# Altium PCB BEAGLEPLAYV020_220915.brd.PcbDoc (part 1 of 12) (continued)
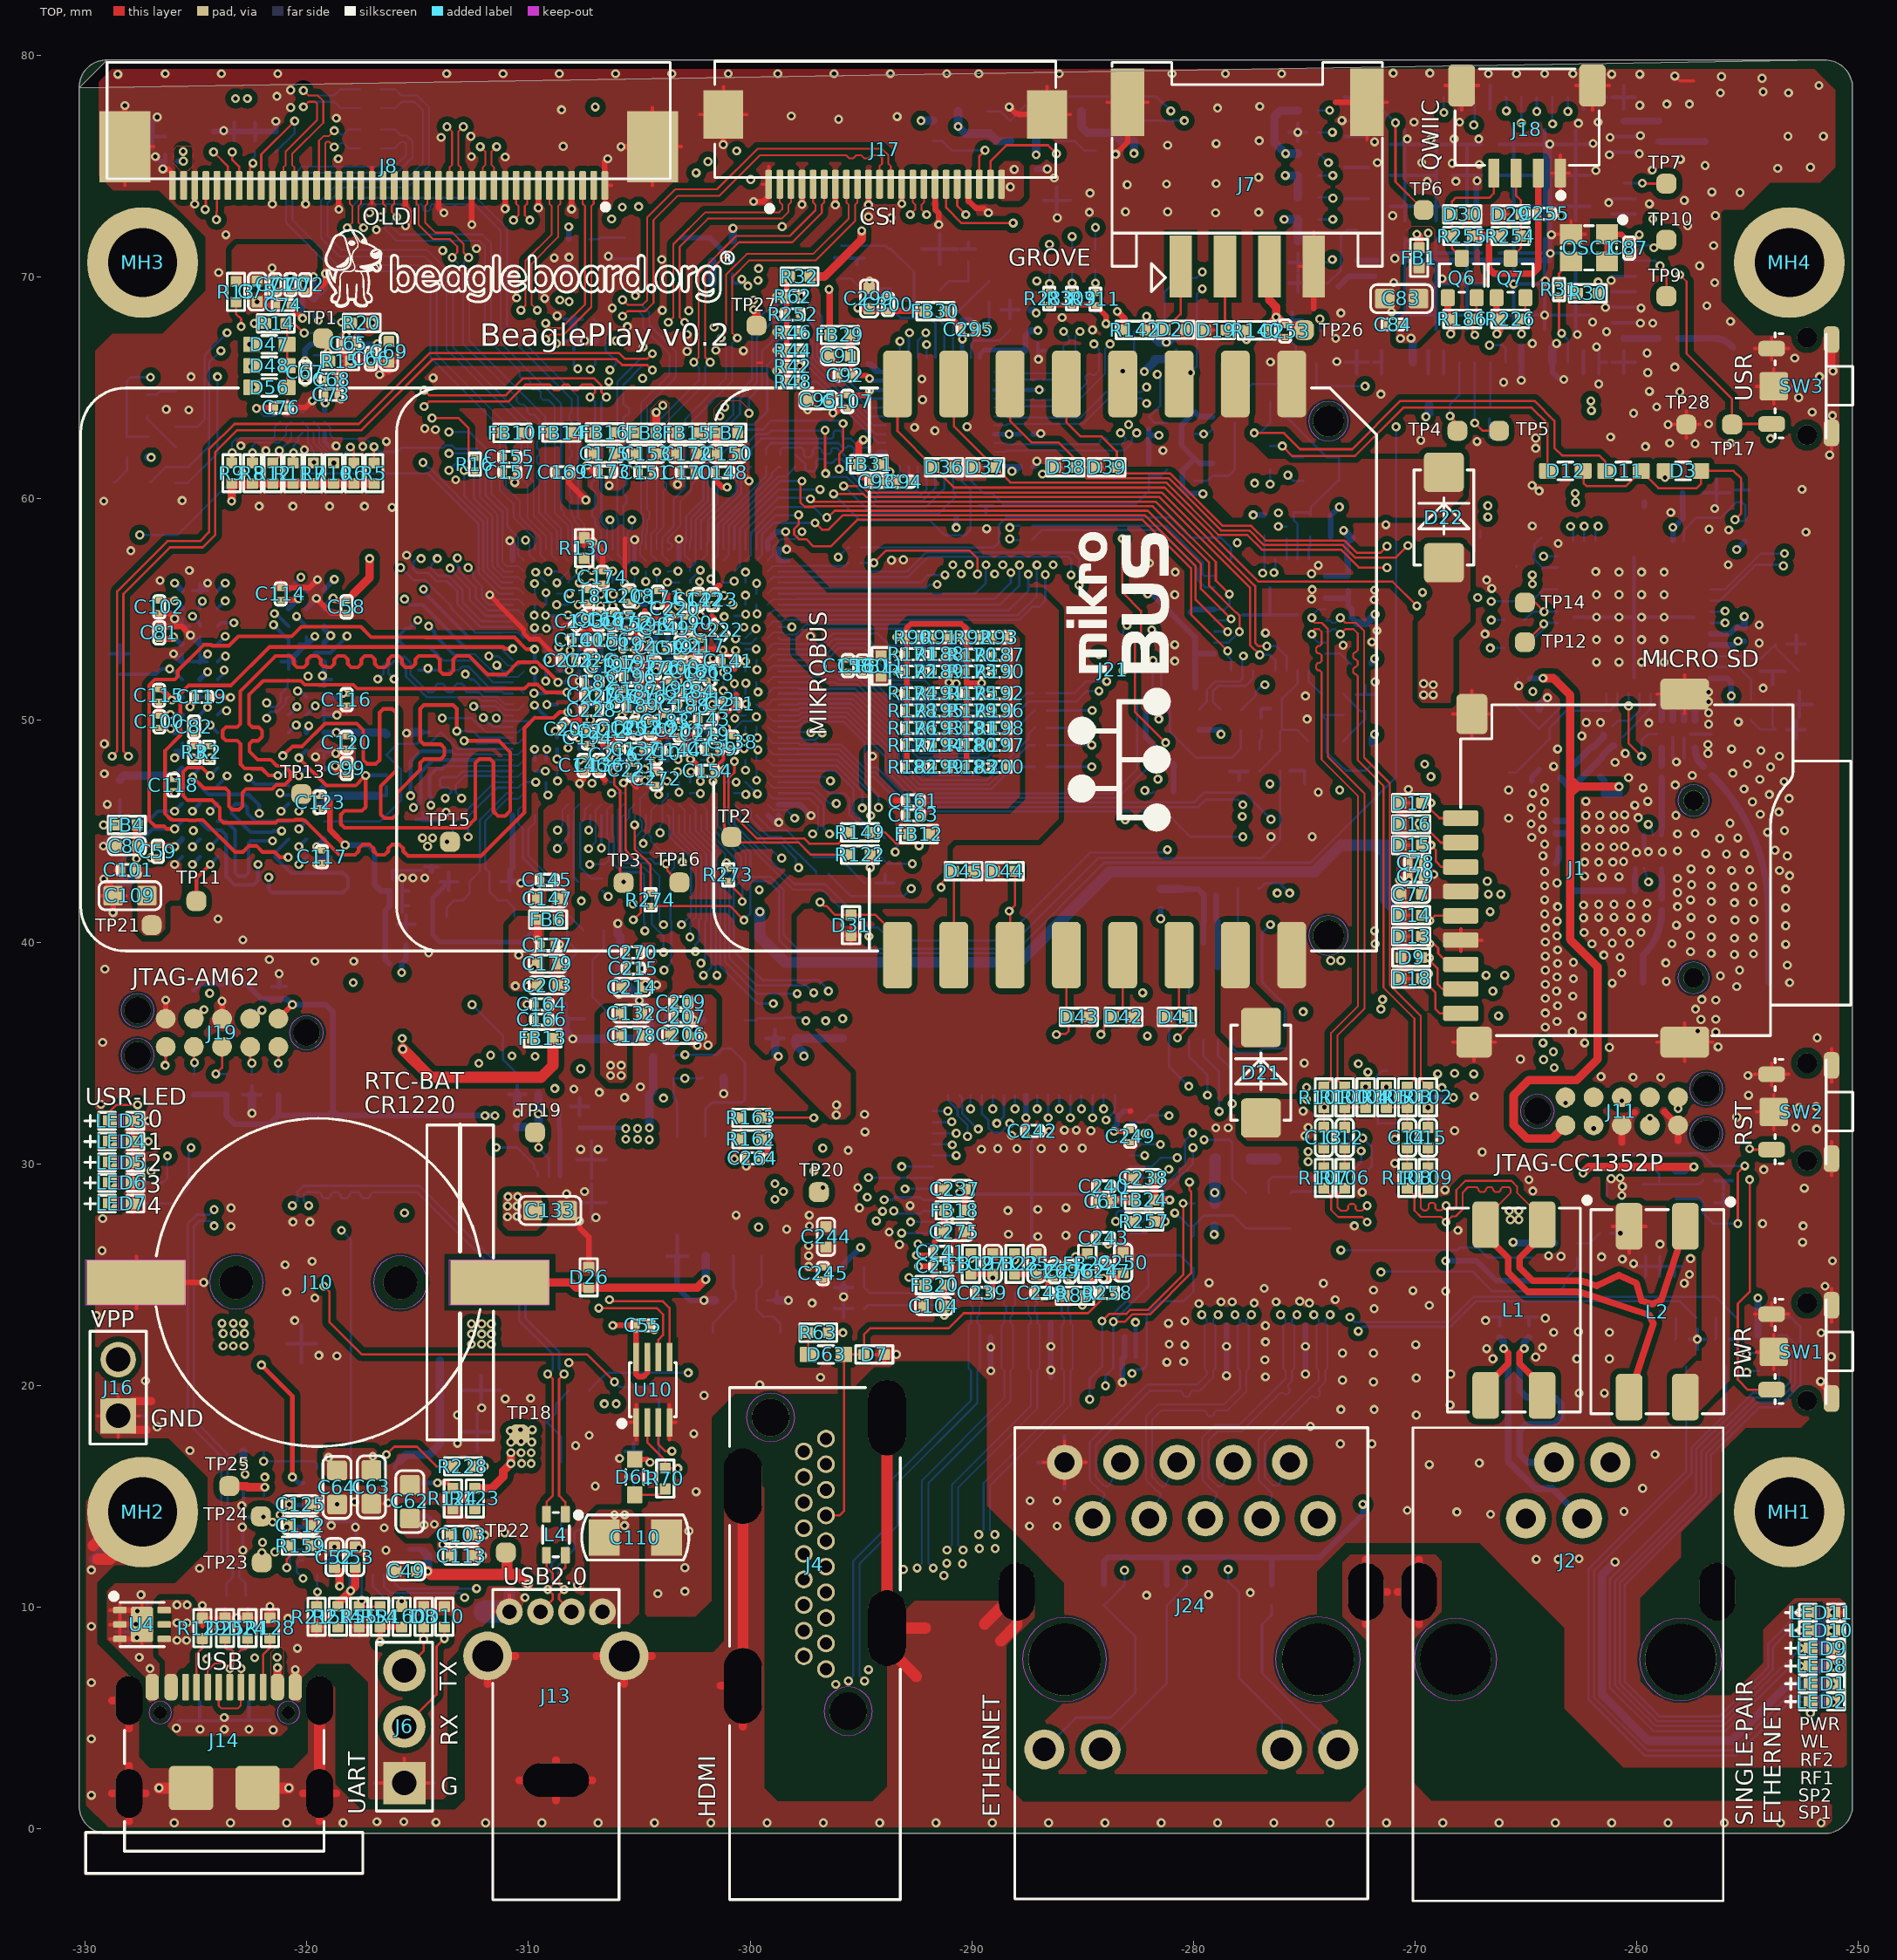
[diagram p0: TOP view]
## Components (designator, comment, footprint, x,y, rotation, side; value= is the part's Value field where it differs from the comment)
B1 "0900PC15A0036E_BF10_0D5_2X1D25X1MM_DISCRETE_0900PC15A0036E" BF10_0D5_2X1D25X1MM -258.127,49.386 r270 bottom
C1 "CC_C0402_DISCRETE_22PF" C0402#1 -273.231,50.721 r270 bottom
C2 "CC_C0402_DISCRETE_22PF" C0402#2 -276.481,50.524 r180 bottom
C3 "CC_C0201_DISCRETE_10NF" C0201#1 -272.74,55.186 r0 bottom
C4 "CC_C0201_DISCRETE_100NF" C0201#1 -272.74,55.858 r0 bottom
C5 "CC_C0402_DISCRETE_1UF" C0402#1 -272.627,53.931 r90 bottom
C6 "CC_C0201_DISCRETE_10NF" C0201#1 -280.213,52.324 r180 bottom
C7 "CC_C0201_DISCRETE_100NF" C0201#1 -280.213,53.01 r180 bottom
C8 "CC_C0402_DISCRETE_1UF" C0402#2 -280.365,51.486 r180 bottom
C9 "CC_C0201_DISCRETE_10NF" C0201#1 -272.74,57.167 r0 bottom
C10 "CC_C0201_DISCRETE_100NF" C0201#1 -272.74,56.514 r0 bottom
C11 "CC_C0402_DISCRETE_1UF" C0402#1 -272.864,58.674 r270 bottom
C12 "CC_C0402_DISCRETE_220NF" C0402#3 -273.181,31.185 r270 top
C13 "CC_C0402_DISCRETE_220NF" C0402#3 -274.12,31.185 r270 top
C14 "CC_C0402_DISCRETE_4.7NF" C0402#3 -270.361,31.185 r270 top
C15 "CC_C0402_DISCRETE_4.7NF" C0402#3 -269.421,31.185 r270 top
C16 "CC_C0402_DISCRETE_100PF_" C0402#1 -266.184,22.635 r270 bottom
C17 "CC_C0402_DISCRETE_100PF" C0402#1 -264.871,22.635 r270 bottom
C18 "CC_C0201_DISCRETE_100PF" C0201#2 -259.807,47.702 r90 bottom
C19 "CC_C0201_DISCRETE_100PF" C0201#2 -258.877,47.694 r90 bottom
C20 "CC_C0201_DISCRETE_100NF" C0201#2 -255.245,60.117 r270 bottom
C21 "CC_C0201_DISCRETE_100PF" C0201#2 -258.877,41.707 r90 bottom
C22 "CC_C0201_DISCRETE_100PF" C0201#2 -260.796,46.392 r90 bottom
C23 "CC_C0201_DISCRETE_10NF" C0201#2 -261.481,46.387 r90 bottom
C24 "CC_C0603_DISCRETE_22UF" C0603#1 -264.142,59.936 r180 bottom
C25 "CC_C0201_DISCRETE_100PF" C0201#1 -260.364,42.316 r180 bottom
C26 "CC_C0201_DISCRETE_2.4PF" C0201#3 -262.771,47.129 r135 bottom
C27 "CC_C0201_DISCRETE_0.8PF" C0201#2 -262.968,45.187 r90 bottom
C28 "CC_C0201_DISCRETE_3PF" C0201#1 -263.248,44.221 r180 bottom
C29 "CC_C0201_DISCRETE_4.7PF" C0201#1 -263.248,42.316 r180 bottom
C30 "CC_C0201_DISCRETE_2.4PF" C0201#4 -262.718,48.526 r225 bottom
C31 "CC_C0201_DISCRETE_3.9PF" C0201#1 -263.248,46.127 r180 bottom
C32 "CC_C0402_DISCRETE_1UF" C0402#2 -264.776,58.235 r180 bottom
C33 "CC_C0402_DISCRETE_12PF" C0402#1 -264.405,48.249 r90 bottom
C34 "CC_C0402_DISCRETE_12PF" C0402#1 -264.413,50.085 r270 bottom
C35 "CC_C0402_DISCRETE_6.2PF" C0402#2 -253.279,49.59 r0 bottom
C36 "CC_C0402_DISCRETE_6.2PF" C0402#2 -253.279,53.451 r0 bottom
C37 "CC_C0603_DISCRETE_22UF" C0603#1 -266.2,56.965 r180 bottom
C38 "CC_C0201_DISCRETE_100NF" C0201#1 -265.538,55.894 r180 bottom
C39 "CC_C0201_DISCRETE_100NF" C0201#1 -265.103,51.906 r180 bottom
C40 "CC_C0201_DISCRETE_100NF" C0201#1 -254.878,54.225 r0 bottom
C41 "CC_C0201_DISCRETE_100NF" C0201#1 -258.194,59.182 r180 bottom
C42 "CC_C0201_DISCRETE_100NF" C0201#1 -254.872,53.578 r0 bottom
C43 "CC_C0201_DISCRETE_100NF" C0201#2 -255.743,50.531 r90 bottom
C44 "CC_C0603_DISCRETE_10UF" C0603#1 -327.228,8.89 r180 bottom
C45 "CC_C0201_DISCRETE_12PF" C0201#4 -256.808,47.73 r45 bottom
C46 "CC_C0402_DISCRETE_2.2UF" C0402#2 -322.393,15.02 r180 bottom
C47 "CC_C0402_DISCRETE_2.2UF" C0402#2 -322.419,14.08 r180 bottom
C48 "CC_C0402_DISCRETE_2.2UF" C0402#2 -322.42,13.14 r180 bottom
C49 "CC_C0402_DISCRETE_2.2UF" C0402#3 -315.513,11.625 r180 top
C50 "CC_C0805_DISCRETE_47UF" C0805#1 -311.42,17.916 r180 bottom
C51 "CC_C0805_DISCRETE_22UF" C0805#1 -273.394,37.892 r0 bottom
C52 "CC_C0402_DISCRETE_2.2UF" C0402#3 -318.753,12.263 r90 top
C53 "CC_C0402_DISCRETE_2.2UF" C0402#3 -317.813,12.264 r90 top
C54 "CC_C0805_DISCRETE_47UF" C0805#1 -321.132,21.895 r0 bottom
C55 "CC_C0201_DISCRETE_100NF" C0201#5 -304.838,22.716 r0 top
C56 "CC_C0201_DISCRETE_100NF" C0201#1 -279.263,42.122 r0 bottom
C57 "CC_C0805_DISCRETE_22UF" C0805#2 -269.474,36.209 r90 bottom
C58 "CC_C0201_DISCRETE_100NF" C0201#5 -318.203,55.123 r270 top
C59 "CC_C0201_DISCRETE_100NF" C0201#5 -326.72,44.094 r270 top
C60 "CC_C0805_DISCRETE_47UF" C0805#2 -312.141,20.676 r90 bottom
C61 "CC_C0201_DISCRETE_100NF" C0201#5 -284.071,28.308 r180 top
C62 "CC_C0603_DISCRETE_10UF" C0603#2 -315.35,14.77 r90 top
C63 "CC_C0603_DISCRETE_10UF" C0603#2 -317.085,15.43 r270 top
C64 "CC_C0603_DISCRETE_10UF" C0603#2 -318.634,15.405 r270 top
C65 "CC_C0201_DISCRETE_100NF" C0201#5 -318.106,67.014 r180 top
C66 "CC_C0201_DISCRETE_100NF" C0201#5 -317.11,66.316 r270 top
C67 "CC_C0201_DISCRETE_100NF" C0201#5 -320.074,65.714 r90 top
C68 "CC_C0201_DISCRETE_100NF" C0201#5 -318.886,65.381 r0 top
C69 "CC_C0402_DISCRETE_4.7UF" C0402#3 -316.298,66.629 r270 top
C70 "CC_C0201_DISCRETE_100NF" C0201#5 -320.743,69.655 r270 top
C71 "CC_C0201_DISCRETE_100NF" C0201#5 -321.428,69.656 r270 top
C72 "CC_C0201_DISCRETE_100NF" C0201#5 -320.065,69.655 r270 top
C73 "CC_C0201_DISCRETE_100NF" C0201#5 -318.89,64.695 r0 top
C74 "CC_C0201_DISCRETE_100NF" C0201#5 -321.061,68.742 r180 top
C75 "CC_C0402_DISCRETE_4.7UF" C0402#3 -322.241,69.347 r270 top
C76 "CC_C0201_DISCRETE_100NF" C0201#5 -321.154,64.111 r0 top
C77 "CC_C0402_DISCRETE_4.7UF" C0402#3 -270.18,42.169 r180 top
C78 "CC_C0201_DISCRETE_100NF" C0201#5 -269.975,43.596 r180 top
C79 "CC_C0201_DISCRETE_100NF" C0201#5 -269.981,42.961 r180 top
C80 "CC_C0402_DISCRETE_2.2UF" C0402#3 -328.114,44.332 r180 top
C81 "CC_C0201_DISCRETE_100NF" C0201#5 -326.653,53.955 r90 top
C82 "CC_C0201_DISCRETE_10NF" C0201#5 -325.087,49.708 r90 top
C83 "CC_C0603_DISCRETE_10UF" C0603#2 -270.617,69.025 r180 top
C84 "CC_C0201_DISCRETE_100NF" C0201#5 -270.996,67.86 r180 top
C85 "CC_C0201_DISCRETE_100NF" C0201#1 -264.541,64.159 r180 bottom
C86 "CC_C0402_DISCRETE_2.2UF" C0402#2 -264.16,63.262 r180 bottom
C87 "CC_C0201_DISCRETE_100NF" C0201#5 -260.349,71.309 r270 top
C88 "CC_C0201_DISCRETE_22PF" C0201#2 -295.18,71.136 r90 bottom
C89 "CC_C0201_DISCRETE_22PF" C0201#2 -290.158,70.985 r270 bottom
C90 "CC_C0201_DISCRETE_100NF" C0201#2 -289.357,59.959 r270 bottom
C91 "CC_C0402_DISCRETE_4.7UF" C0402#3 -295.955,66.436 r180 top
C92 "CC_C0201_DISCRETE_100NF" C0201#5 -295.707,65.56 r180 top
C93 "CC_C0201_DISCRETE_1UF" C0201#5 -294.281,60.767 r180 top
C94 "CC_C0201_DISCRETE_100NF" C0201#5 -293.069,60.772 r0 top
C95 "CC_C0402_DISCRETE_4.7UF" C0402#3 -296.921,64.45 r180 top
C96 "CC_C0603_DISCRETE_22UF" C0603#1 -257.175,60.274 r0 bottom
C99 "CC_C0201_DISCRETE_100NF" C0201#5 -318.203,47.838 r90 top
C100 "CC_C0201_DISCRETE_100NF" C0201#5 -326.653,49.94 r90 top
C101 "CC_C0201_DISCRETE_100NF" C0201#5 -328.053,43.252 r180 top
C102 "CC_C0201_DISCRETE_100NF" C0201#5 -326.653,55.124 r270 top
C103 "CC_C0402_DISCRETE_2.2UF" C0402#3 -313.016,13.271 r0 top
C104 "CC_C0402_DISCRETE_10UF" C0402#3 -291.707,23.588 r180 top
C105 "CC_C1206_DISCRETE_1NF" C1206#1 -322.614,3.492 r90 bottom
C107 "CC_C0201_DISCRETE_100NF" C0201#5 -295.615,64.389 r270 top
C108 "CC_C0201_DISCRETE_1UF" C0201#1 -287.303,66.677 r0 bottom
C109 "CC_C0603_DISCRETE_22UF" C0603#2 -327.979,42.097 r180 top
C110 "CC_C1206_DISCRETE_100UF" C1206#2 -305.181,13.149 r0 top
C111 "CC_C0603_DISCRETE_10UF" C0603#1 -307.226,18.525 r180 bottom
C112 "CC_C0402_DISCRETE_2.2UF" C0402#3 -320.281,13.699 r0 top
C113 "CC_C0402_DISCRETE_2.2UF" C0402#3 -313.015,12.328 r0 top
C114 "CC_C0201_DISCRETE_100NF" C0201#5 -321.179,55.71 r90 top
C115 "CC_C0201_DISCRETE_100NF" C0201#5 -326.669,51.13 r270 top
C116 "CC_C0201_DISCRETE_100NF" C0201#5 -318.203,50.94 r270 top
C117 "CC_C0201_DISCRETE_100NF" C0201#5 -319.32,43.853 r270 top
C118 "CC_C0201_DISCRETE_100NF" C0201#5 -326.018,47.084 r270 top
C119 "CC_C0201_DISCRETE_100NF" C0201#5 -324.739,51.063 r180 top
C120 "CC_C0201_DISCRETE_100NF" C0201#5 -318.203,49.007 r270 top
C121 "CC_C0201_DISCRETE_100NF" C0201#1 -316.001,39.032 r180 bottom
C122 "CC_C0201_DISCRETE_100NF" C0201#1 -315.976,41.648 r0 bottom
C123 "CC_C0201_DISCRETE_100NF" C0201#5 -319.396,46.315 r270 top
C124 "CC_C0201_DISCRETE_100NF" C0201#1 -315.976,42.309 r0 bottom
C125 "CC_C0402_DISCRETE_2.2UF" C0402#3 -320.279,14.639 r0 top
C126 "CC_C0402_DISCRETE_12PF" C0402#2 -311.301,42.732 r0 bottom
C127 "CC_C0402_DISCRETE_12PF" C0402#2 -313.133,42.724 r180 bottom
C128 "CC_C0402_DISCRETE_10PF" C0402#2 -308.234,39.574 r180 bottom
C129 "CC_C0402_DISCRETE_10PF" C0402#2 -306.318,39.557 r0 bottom
C130 "CC_C0201_DISCRETE_100NF" C0201#1 -326.923,9.957 r180 bottom
C131 "CC_C0201_DISCRETE_100NF" C0201#2 -309.172,18.62 r270 bottom
C132 "CC_C0402_DISCRETE_10UF" C0402#3 -305.352,36.78 r0 top
C133 "CC_C0603_DISCRETE_10UF" C0603#2 -309.029,27.898 r0 top
C134 "CC_C0805_DISCRETE_22UF" C0805#1 -306.266,30.184 r180 bottom
C135 "CC_C0805_DISCRETE_22UF" C0805#1 -306.266,28.253 r180 bottom
C136 "CC_C0201_DISCRETE_1UF" C0201#5 -306.806,47.975 r270 top
C137 "CC_C0201_DISCRETE_1UF" C0201#5 -305.138,48.718 r0 top
C138 "CC_C0201_DISCRETE_1UF" C0201#5 -300.804,49.022 r270 top
C139 "CC_C0201_DISCRETE_1UF" C0201#5 -301.709,48.718 r0 top
C140 "CC_C0201_DISCRETE_1UF" C0201#5 -307.703,53.62 r0 top
C141 "CC_C0201_DISCRETE_1UF" C0201#5 -300.972,52.68 r0 top
C142 "CC_C0201_DISCRETE_1UF" C0201#5 -302.345,55.458 r90 top
C143 "CC_C0201_DISCRETE_1UF" C0201#5 -302.014,50.039 r0 top
C144 "CC_C0201_DISCRETE_1UF" C0201#5 -303.34,48.663 r0 top
C145 "CC_C0201_DISCRETE_100NF" C0201#5 -309.159,42.808 r180 top
C146 "CC_C0201_DISCRETE_10NF" C0201#5 -307.509,47.979 r270 top
C147 "CC_C0402_DISCRETE_4.7UF" C0402#3 -309.136,41.97 r180 top
C148 "CC_C0201_DISCRETE_100NF" C0201#5 -301.24,61.19 r0 top
C149 "CC_C0201_DISCRETE_10NF" C0201#5 -303.842,54.163 r0 top
C150 "CC_C0402_DISCRETE_4.7UF" C0402#3 -301.023,62.028 r0 top
C151 "CC_C0201_DISCRETE_100NF" C0201#5 -304.706,61.19 r0 top
C152 "CC_C0201_DISCRETE_10NF" C0201#5 -305.528,54.405 r270 top
C153 "CC_C0402_DISCRETE_4.7UF" C0402#3 -304.681,62.028 r0 top
C154 "CC_C0201_DISCRETE_100NF" C0201#5 -301.926,47.728 r0 top
C155 "CC_C0201_DISCRETE_100NF" C0201#5 -310.849,61.884 r180 top
C156 "CC_C0201_DISCRETE_10NF" C0201#5 -306.547,53.629 r180 top
C157 "CC_C0201_DISCRETE_1UF" C0201#5 -310.838,61.198 r180 top
C158 "CC_C0201_DISCRETE_100NF" C0201#5 -295.588,52.473 r90 top
C159 "CC_C0201_DISCRETE_10NF" C0201#5 -304.095,53.273 r180 top
C160 "CC_C0201_DISCRETE_1UF" C0201#5 -294.928,52.461 r90 top
C161 "CC_C0201_DISCRETE_100NF" C0201#5 -292.639,46.394 r0 top
C162 "CC_C0201_DISCRETE_10NF" C0201#5 -304.334,51.051 r270 top
C163 "CC_C0201_DISCRETE_1UF" C0201#5 -292.639,45.734 r0 top
C164 "CC_C0201_DISCRETE_100NF" C0201#5 -309.397,37.194 r0 top
C165 "CC_C0201_DISCRETE_10NF" C0201#5 -306.18,51.093 r90 top
C166 "CC_C0201_DISCRETE_1UF" C0201#5 -309.397,36.508 r0 top
C167 "CC_C0201_DISCRETE_100NF" C0201#5 -306.188,54.548 r270 top
C168 "CC_C0201_DISCRETE_10NF" C0201#5 -306.823,54.556 r270 top
C169 "CC_C0201_DISCRETE_1UF" C0201#5 -308.461,61.198 r180 top
C170 "CC_C0201_DISCRETE_100NF" C0201#5 -302.828,61.19 r0 top
C171 "CC_C0201_DISCRETE_10NF" C0201#5 -304.174,55.563 r90 top
C172 "CC_C0402_DISCRETE_4.7UF" C0402#3 -302.852,62.028 r0 top
C173 "CC_C0201_DISCRETE_100NF" C0201#5 -306.518,61.223 r180 top
C174 "CC_C0201_DISCRETE_10NF" C0201#5 -306.663,56.452 r90 top
C175 "CC_C0402_DISCRETE_4.7UF" C0402#3 -306.572,62.036 r180 top
C176 "CC_C0201_DISCRETE_100NF" C0201#5 -304.301,52.371 r90 top
C177 "CC_C0201_DISCRETE_1UF" C0201#5 -309.137,39.887 r0 top
C178 "CC_C0402_DISCRETE_4.7UF" C0402#3 -305.338,35.79 r0 top
C179 "CC_C0402_DISCRETE_4.7UF" C0402#3 -309.137,39.023 r0 top
C180 "CC_C0201_DISCRETE_100NF" C0201#5 -304.487,49.671 r270 top
C181 "CC_C0201_DISCRETE_100NF" C0201#5 -307.298,55.597 r90 top
C182 "CC_C0201_DISCRETE_100NF" C0201#5 -307.141,51.749 r180 top
C183 "CC_C0201_DISCRETE_100NF" C0201#5 -303.826,49.976 r270 top
C184 "CC_C0201_DISCRETE_100NF" C0201#5 -302.713,51.309 r0 top
C185 "CC_C0201_DISCRETE_100NF" C0201#5 -305.807,49.62 r270 top
C186 "CC_C0201_DISCRETE_100NF" C0201#5 -302.497,52.219 r90 top
C187 "CC_C0201_DISCRETE_100NF" C0201#5 -305.279,51.309 r0 top
C188 "CC_C0201_DISCRETE_100NF" C0201#5 -302.967,50.649 r0 top
C189 "CC_C0201_DISCRETE_100NF" C0201#5 -305.228,50.649 r0 top
C190 "CC_C0201_DISCRETE_100NF" C0201#5 -302.827,54.403 r90 top
C191 "CC_C0201_DISCRETE_100NF" C0201#5 -303.14,53.278 r270 top
C192 "CC_C0201_DISCRETE_100NF" C0201#5 -305.38,53.443 r0 top
C193 "CC_C0201_DISCRETE_100NF" C0201#5 -307.678,54.481 r225 top
C194 "CC_C0201_DISCRETE_100NF" C0201#5 -307.323,49.221 r90 top
C195 "CC_C0201_DISCRETE_100NF" C0201#5 -305.33,52.63 r0 top
C196 "CC_C0201_DISCRETE_100NF" C0201#5 -305.355,51.969 r0 top
C197 "CC_C0201_DISCRETE_100NF" C0201#5 -306.26,52.443 r270 top
C198 "CC_C0201_DISCRETE_100NF" C0201#5 -304.758,54.327 r90 top
C199 "CC_C0201_DISCRETE_100NF" C0201#5 -303.64,51.457 r90 top
C200 "CC_C0201_DISCRETE_100NF" C0201#5 -303.399,52.376 r0 top
C201 "CC_C0201_DISCRETE_100NF" C0201#5 -303.179,49.561 r270 top
C202 "CC_C0201_DISCRETE_100NF" C0201#5 -305.147,49.671 r270 top
C203 "CC_C0402_DISCRETE_10UF" C0402#3 -309.137,38.058 r0 top
C204 "CC_C0402_DISCRETE_1UF" C0402#2 -307.711,70.384 r180 bottom
C205 "CC_C0201_DISCRETE_100NF" C0201#5 -308.181,49.619 r135 top
C206 "CC_C0402_DISCRETE_4.7UF" C0402#3 -303.121,35.823 r180 top
C207 "CC_C0201_DISCRETE_1UF" C0201#5 -303.116,36.636 r180 top
C208 "CC_C0201_DISCRETE_100NF" C0201#5 -305.444,55.622 r90 top
C209 "CC_C0201_DISCRETE_100NF" C0201#5 -303.127,37.296 r180 top
C210 "CC_C0201_DISCRETE_100NF" C0201#5 -304.25,48.519 r90 top
C211 "CC_C0201_DISCRETE_100NF" C0201#5 -300.901,50.75 r0 top
C212 "CC_C0201_DISCRETE_100NF" C0201#5 -306.671,49.519 r270 top
C213 "CC_C0201_DISCRETE_100NF" C0201#5 -301.811,50.949 r90 top
C214 "CC_C0402_DISCRETE_4.7UF" C0402#3 -305.331,37.972 r180 top
C215 "CC_C0201_DISCRETE_1UF" C0201#5 -305.275,38.81 r180 top
C216 "CC_C0201_DISCRETE_100NF" C0201#5 -306.155,48.459 r90 top
C217 "CC_C0201_DISCRETE_100NF" C0201#5 -302.251,53.369 r270 top
C218 "CC_C0201_DISCRETE_100NF" C0201#5 -301.841,52.093 r90 top
C219 "CC_C0201_DISCRETE_100NF" C0201#5 -302.035,49.387 r180 top
C220 "CC_C0201_DISCRETE_100NF" C0201#5 -303.398,55.035 r225 top
C221 "CC_C0201_DISCRETE_100NF" C0201#5 -305.299,47.766 r270 top
C222 "CC_C0201_DISCRETE_100NF" C0201#5 -301.428,54.084 r135 top
C223 "CC_C0201_DISCRETE_100NF" C0201#5 -301.684,55.444 r90 top
C224 "CC_C0402_DISCRETE_4.7UF" C0402#1 -315.189,43.706 r90 bottom
C225 "CC_C0201_DISCRETE_1UF" C0201#2 -314.376,43.68 r90 bottom
C226 "CC_C0201_DISCRETE_100NF" C0201#5 -307.196,52.701 r90 top
C227 "CC_C0201_DISCRETE_100NF" C0201#5 -307.141,51.114 r180 top
C228 "CC_C0201_DISCRETE_100NF" C0201#5 -307.155,50.471 r180 top
C229 "CC_C0201_DISCRETE_100NF" C0201#2 -314.757,45.255 r270 bottom
C230 "CC_C0201_DISCRETE_100NF" C0201#2 -314.071,45.255 r270 bottom
C231 "CC_C0402_DISCRETE_10UF" C0402#1 -316.128,43.706 r90 bottom
C232 "CC_C0201_DISCRETE_10NF" C0201#1 -279.26,41.437 r0 bottom
C233 "CC_C0402_DISCRETE_1UF" C0402#1 -280.534,41.937 r90 bottom
C234 "CC_C0402_DISCRETE_100PF_" C0402#2 -277.538,41.487 r0 bottom
C235 "CC_C0402_DISCRETE_100PF" C0402#1 -276.895,35.678 r270 bottom
C236 "CC_C0201_DISCRETE_100NF" C0201#1 -275.767,59.382 r180 bottom
C237 "CC_C0402_DISCRETE_10UF" C0402#3 -290.772,28.861 r180 top
C238 "CC_C0402_DISCRETE_10UF" C0402#3 -282.245,29.354 r180 top
C239 "CC_C0201_DISCRETE_100NF" C0201#5 -289.526,24.186 r180 top
C240 "CC_C0201_DISCRETE_100NF" C0201#5 -284.058,28.98 r180 top
C241 "CC_C0201_DISCRETE_100NF" C0201#5 -291.404,26.032 r0 top
C242 "CC_C0201_DISCRETE_100NF" C0201#5 -287.264,31.488 r0 top
C243 "CC_C0201_DISCRETE_100NF" C0201#5 -284.061,26.658 r180 top
C244 "CC_C0402_DISCRETE_10UF" C0402#3 -296.579,26.712 r90 top
C245 "CC_C0201_DISCRETE_100NF" C0201#5 -296.714,25.057 r270 top
C247 "CC_C0201_DISCRETE_100NF" C0201#5 -283.991,25.163 r90 top
C248 "CC_C0201_DISCRETE_100NF" C0201#5 -286.834,24.182 r180 top
C249 "CC_C0201_DISCRETE_100NF" C0201#5 -282.846,31.249 r270 top
C250 "CC_C0402_DISCRETE_10UF" C0402#3 -283.178,25.544 r90 top
C251 "CC_C0201_DISCRETE_100NF" C0201#5 -291.397,25.373 r0 top
C252 "CC_C0402_DISCRETE_10UF" C0402#3 -287.093,25.493 r90 top
C253 "CC_C0201_DISCRETE_100NF" C0201#5 -275.873,67.566 r270 top
C254 "CC_C0201_DISCRETE_100NF" C0201#2 -272.266,50.699 r270 bottom
C255 "CC_C0201_DISCRETE_100NF" C0201#5 -264.17,72.86 r0 top
C256 "CC_C0402_DISCRETE_100PF" C0402#1 -259.004,76.581 r90 bottom
C257 "CC_C0402_DISCRETE_100PF" C0402#2 -258.572,67.234 r0 bottom
C258 "CC_C0603_DISCRETE_10UF" C0603#1 -286.931,73.456 r0 bottom
C259 "CC_C0201_DISCRETE_100NF" C0201#1 -287.376,74.872 r0 bottom
C260 "CC_C0201_DISCRETE_100NF" C0201#2 -321.251,37.714 r270 bottom
C261 "CC_C0402_DISCRETE_2.7PF" C0402#2 -299.25,23.847 r0 bottom
C262 "CC_C0201_DISCRETE_100NF" C0201#2 -265.532,26.801 r90 bottom
C263 "CC_C0402_DISCRETE_1UF" C0402#2 -301.252,69.732 r0 bottom
C264 "CC_C0201_DISCRETE_100NF" C0201#5 -299.898,30.251 r180 top
C265 "CC_C0402_DISCRETE_2.7PF" C0402#2 -301.128,23.847 r180 bottom
C266 "CC_C0201_DISCRETE_100NF" C0201#1 -303.488,36.432 r180 bottom
C267 "CC_C0201_DISCRETE_100NF" C0201#1 -326.111,75.227 r180 bottom
C268 "CC_C0603_DISCRETE_10UF" C0603#1 -326.212,76.345 r180 bottom
C269 "CC_C0201_DISCRETE_1NF" C0201#5 -286.267,25.137 r90 top
C270 "CC_C0201_DISCRETE_100NF" C0201#5 -305.301,39.536 r180 top
C271 "CC_C0402_DISCRETE_10UF" C0402#3 -289.057,25.493 r90 top
C272 "CC_C0201_DISCRETE_100NF" C0201#5 -304.228,47.363 r270 top
C273 "CC_C0201_DISCRETE_100NF" C0201#5 -308.204,52.709 r180 top
C274 "CC_C0201_DISCRETE_100NF" C0201#1 -279.832,26.238 r0 bottom
C275 "CC_C0402_DISCRETE_10UF" C0402#3 -290.798,26.934 r0 top
C276 "CC_C0201_DISCRETE_100NF" C0201#5 -285.585,25.138 r90 top
C294 "CC_C0201_DISCRETE_100NF" C0201#1 -287.528,61.463 r0 bottom
C295 "CC_C0201_DISCRETE_1UF" C0201#5 -290.162,67.629 r0 top
C296 "CC_C0201_DISCRETE_100NF" C0201#1 -287.528,62.917 r0 bottom
C297 "CC_C0201_DISCRETE_100NF" C0201#1 -286.487,64.917 r0 bottom
C298 "CC_C0201_DISCRETE_100NF" C0201#2 -290.441,67.789 r270 bottom
C299 "CC_C0402_DISCRETE_4.7UF" C0402#3 -294.637,69.031 r90 top
C300 "CC_C0201_DISCRETE_100NF" C0201#5 -293.78,68.76 r90 top
D1 "D_ESD_DIFFPAIR_USON10_0D5_2D5X1X0D5MM_DISCRETE_TPD4E05U06DQAR" USON10_0D5_2D5X1X0D5MM -274.955,21.752 r180 bottom
D2 "D_ESD_DIFFPAIR_USON10_0D5_2D5X1X0D5MM_DISCRETE_TPD4E05U06DQAR" USON10_0D5_2D5X1X0D5MM -278.511,21.752 r180 bottom
D3 "D_SOD_523_DISCRETE_RB520S30T1G" SOD_523#1 -257.917,61.256 r180 top
D4 "D_ESD_DIFFPAIR_USON10_0D5_2D5X1X0D5MM_DISCRETE_TPD4E05U06DQAR" USON10_0D5_2D5X1X0D5MM -289.149,21.752 r0 bottom
D5 "D_ESD_DIFFPAIR_USON10_0D5_2D5X1X0D5MM_DISCRETE_TPD4E05U06DQAR" USON10_0D5_2D5X1X0D5MM -286.443,21.752 r0 bottom
D6 "D_ESD_DIFFPAIR_USON10_0D5_2D5X1X0D5MM_DISCRETE_TPD4E05U06DQAR" USON10_0D5_2D5X1X0D5MM -283.118,21.752 r0 bottom
D7 "DIODE TVS BI-DIR_D0402_DISCRETE_TPD1E1B04DPY" D0402#1 -294.405,21.404 r180 top
D8 "DIODE TVS BI-DIR_D0402_DISCRETE_TPD1E1B04DPY" D0402#1 -314.731,9.574 r270 top
D9 "DIODE TVS BI-DIR_D0402_DISCRETE_TPD1E1B04DPY" D0402#1 -270.18,39.313 r0 top
D10 "DIODE TVS BI-DIR_D0402_DISCRETE_TPD1E1B04DPY" D0402#1 -313.792,9.574 r270 top
D11 "D_SOD_523_DISCRETE_RB520S30T1G" SOD_523#1 -260.61,61.256 r180 top
D12 "D_SOD_523_DISCRETE_RB520S30T1G" SOD_523#1 -263.228,61.256 r180 top
D13 "DIODE TVS BI-DIR_D0402_DISCRETE_TPD1E1B04DPY" D0402#1 -270.18,40.26 r0 top
D14 "DIODE TVS BI-DIR_D0402_DISCRETE_TPD1E1B04DPY" D0402#1 -270.18,41.218 r0 top
D15 "DIODE TVS BI-DIR_D0402_DISCRETE_TPD1E1B04DPY" D0402#1 -270.18,44.377 r0 top
D16 "DIODE TVS BI-DIR_D0402_DISCRETE_TPD1E1B04DPY" D0402#1 -270.18,45.321 r0 top
D17 "DIODE TVS BI-DIR_D0402_DISCRETE_TPD1E1B04DPY" D0402#1 -270.18,46.28 r0 top
D18 "DIODE TVS BI-DIR_D0402_DISCRETE_TPD1E1B04DPY" D0402#1 -270.18,38.355 r0 top
D19 "DIODE TVS BI-DIR_D0402_DISCRETE_TPD1E1B04DPY" D0402#1 -278.993,67.603 r0 top
D20 "DIODE TVS BI-DIR_D0402_DISCRETE_TPD1E1B04DPY" D0402#1 -280.824,67.627 r180 top
D21 "D_DO_214AC_SMA_DISCRETE_B130L-13-F" DO_214AC_SMA -276.962,34.112 r90 top
D22 "D_DO_214AC_SMA_DISCRETE_B130L-13-F" DO_214AC_SMA -268.707,59.157 r90 top
D23 "D_SOD_523_DISCRETE_RB520S30T1G" SOD_523#2 -325.899,61.516 r270 bottom
D24 "DIODE TVS BI-DIR_D0402_DISCRETE_TPD1E1B04DPY" D0402#1 -322.673,9.062 r270 top
D25 "DIODE TVS BI-DIR_D0402_DISCRETE_TPD1E1B04DPY" D0402#1 -323.689,9.061 r270 top
D26 "DIODE TVS BI-DIR_D0402_DISCRETE_TPD1E1B04DPY" D0402#1 -307.281,24.884 r270 top
D27 "DIODE TVS BI-DIR_X1SON2_0D65_1X0_6X0_45MM_DISCRETE_TPD1E0B04DPY" X1SON2_0D65_1X0_6X0_45MM#1 -253.706,39.395 r180 bottom
D28 "DIODE TVS BI-DIR_X1SON2_0D65_1X0_6X0_45MM_DISCRETE_TPD1E0B04DPY" X1SON2_0D65_1X0_6X0_45MM#1 -260.079,39.395 r0 bottom
D29 "DIODE TVS BI-DIR_D0402_DISCRETE_TPD1E1B04DPY" D0402#1 -265.697,72.83 r0 top
D30 "DIODE TVS BI-DIR_D0402_DISCRETE_TPD1E1B04DPY" D0402#1 -267.877,72.83 r180 top
D31 "DIODE TVS BI-DIR_D0402_DISCRETE_TPD1E1B04DPY" D0402#1 -295.453,40.767 r90 top
D32 "D_SOD_523_DISCRETE_RB520S30T1G" SOD_523#3 -277.346,61.316 r0 bottom
D33 "D_SOD_523_DISCRETE_RB520S30T1G" SOD_523#3 -277.346,63.424 r0 bottom
D34 "D_SOD_523_DISCRETE_RB520S30T1G" SOD_523#3 -277.346,64.389 r0 bottom
D35 "D_SOD_523_DISCRETE_RB520S30T1G" SOD_523#2 -276.606,27.889 r270 bottom
D36 "DIODE TVS BI-DIR_D0402_DISCRETE_TPD1E1B04DPY" D0402#1 -291.256,61.417 r180 top
D37 "DIODE TVS BI-DIR_D0402_DISCRETE_TPD1E1B04DPY" D0402#1 -289.408,61.417 r0 top
D38 "DIODE TVS BI-DIR_D0402_DISCRETE_TPD1E1B04DPY" D0402#1 -285.775,61.417 r0 top
D39 "DIODE TVS BI-DIR_D0402_DISCRETE_TPD1E1B04DPY" D0402#1 -283.921,61.417 r0 top
D40 "DIODE TVS BI-DIR_D0402_DISCRETE_TPD1E1B04DPY" D0402#2 -282.225,66.294 r180 bottom
D41 "DIODE TVS BI-DIR_D0402_DISCRETE_TPD1E1B04DPY" D0402#1 -280.742,36.627 r0 top
D42 "DIODE TVS BI-DIR_D0402_DISCRETE_TPD1E1B04DPY" D0402#1 -283.154,36.627 r180 top
D43 "DIODE TVS BI-DIR_D0402_DISCRETE_TPD1E1B04DPY" D0402#1 -285.171,36.627 r180 top
D44 "DIODE TVS BI-DIR_D0402_DISCRETE_TPD1E1B04DPY" D0402#1 -288.519,43.205 r0 top
D45 "DIODE TVS BI-DIR_D0402_DISCRETE_TPD1E1B04DPY" D0402#1 -290.373,43.205 r180 top
D46 "D_SOD_523_DISCRETE_RB520S30T1G" SOD_523#3 -274.243,61.871 r180 bottom
D47 "D_SOD_523_DISCRETE_RB520S30T1G" SOD_523#1 -321.69,66.964 r180 top
D48 "D_SOD_523_DISCRETE_RB520S30T1G" SOD_523#1 -321.69,66 r180 top
D49 "D_SOD_523_DISCRETE_RB520S30T1G" SOD_523#2 -325.899,64.052 r270 bottom
D50 "D_SOD_523_DISCRETE_RB520S30T1G" SOD_523#3 -272.504,32.765 r180 bottom
D51 "D_SOD_523_DISCRETE_RB520S30T1G" SOD_523#3 -272.49,31.8 r180 bottom
D52 "DIODE TVS BI-DIR_D0402_DISCRETE_TPD1E1B04DPY" D0402#2 -280.32,66.294 r0 bottom
D53 "D_SOD_523_DISCRETE_RB520S30T1G" SOD_523#3 -274.243,60.808 r180 bottom
D54 "D_SOD_523_DISCRETE_RB520S30T1G" SOD_523#3 -277.346,62.379 r0 bottom
D55 "D_SOD_523_DISCRETE_RB520S30T1G" SOD_523#3 -275.483,30.22 r180 bottom
D56 "D_SOD_523_DISCRETE_RB520S30T1G" SOD_523#1 -321.69,65.024 r180 top
D58 "D_SOD_523_DISCRETE_RB520S30T1G" SOD_523#2 -277.622,27.889 r270 bottom
D59 "D_SOD_523_DISCRETE_RB520S30T1G" SOD_523#2 -275.615,27.889 r270 bottom
D61 "D_SOD_523_DISCRETE_RB520S30T1G" SOD_523#1 -305.206,15.875 r270 top
D63 "D_SOD_523_DISCRETE_RB520S30T1G" SOD_523#1 -296.576,21.404 r0 top
D66 "D_SOD_523_DISCRETE_RB520S30T1G" SOD_523#3 -327.865,60.758 r180 bottom
D73 "DIODE TVS BI-DIR_X1SON2_0D65_1X0_6X0_45MM_DISCRETE_TPD1E0B04DPY" X1SON2_0D65_1X0_6X0_45MM#2 -258.064,75.768 r270 bottom
D74 "DIODE TVS BI-DIR_X1SON2_0D65_1X0_6X0_45MM_DISCRETE_TPD1E0B04DPY" X1SON2_0D65_1X0_6X0_45MM#2 -257.2,67.589 r90 bottom
F1 "FUSE_F0603_DISCRETE_100MA" F0603 -278.204,30.226 r180 bottom
FB1 "FB_L0402_DISCRETE_120R" L0402#1 -269.824,70.866 r270 top
FB2 "FB_L0402_DISCRETE_120R" L0402#2 -262.743,63.708 r90 bottom
FB4 "FB_L0402_DISCRETE_120R" L0402#1 -328.118,45.289 r0 top
FB5 "FB_L0402_DISCRETE_120R" L0402#3 -266.604,58.251 r0 bottom
FB6 "FB_L0402_DISCRETE_120R" L0402#1 -309.118,41.022 r0 top
FB7 "FB_L0402_DISCRETE_120R" L0402#1 -301.033,62.976 r180 top
FB8 "FB_L0402_DISCRETE_120R" L0402#1 -304.7,62.976 r180 top
FB9 "FB_L0402_DISCRETE_120R" L0402#2 -299.568,41.859 r270 bottom
FB10 "FB_L0402_DISCRETE_120R" L0402#1 -310.73,62.968 r0 top
FB11 "FB_L0402_DISCRETE_120R" L0402#1 -294.098,52.455 r270 top
FB12 "FB_L0402_DISCRETE_120R" L0402#1 -292.385,44.878 r180 top
FB13 "FB_L0402_DISCRETE_120R" L0402#1 -309.358,35.665 r180 top
FB14 "FB_L0402_DISCRETE_120R" L0402#1 -308.521,62.981 r0 top
FB15 "FB_L0402_DISCRETE_120R" L0402#1 -302.845,62.976 r180 top
FB16 "FB_L0402_DISCRETE_120R" L0402#1 -306.56,62.993 r0 top
FB17 "FB_L0402_DISCRETE_120R" L0402#2 -281.482,41.947 r270 bottom
FB18 "FB_L0402_DISCRETE_120R" L0402#1 -290.772,27.904 r0 top
FB19 "FB_L0402_DISCRETE_120R" L0402#1 -290.038,25.493 r90 top
FB20 "FB_L0402_DISCRETE_120R" L0402#1 -291.676,24.539 r0 top
FB21 "FB_L0402_DISCRETE_120R" L0402#3 -323.748,77.539 r180 bottom
FB22 "FB_L0402_DISCRETE_120R" L0402#1 -284.792,25.493 r90 top
FB23 "FB_L0402_DISCRETE_120R" L0402#1 -288.07,25.493 r90 top
FB24 "FB_L0402_DISCRETE_120R" L0402#1 -282.246,28.374 r0 top
FB29 "FB_L0402_DISCRETE_120R" L0402#1 -295.954,67.393 r0 top
FB30 "FB_L0402_DISCRETE_120R" L0402#1 -291.651,68.464 r180 top
FB31 "FB_L0402_DISCRETE_120R" L0402#1 -294.644,61.56 r0 top
FB32 "FB_L0402_DISCRETE_120R" L0402#2 -287.34,68.052 r270 bottom
FL2 "FB_L0402_DISCRETE_120R" L0402#3 -307.708,69.427 r0 bottom
J1 "MICROSD CARD_9+4P_MICRO_SD_ST_TF_003A_16_1X14_5MM_IO_ST-TF-003J" MICRO_SD_ST_TF_003A_16_1X14_5MM -260.452,43.278 r0 top
J2 "RJ11_6P4C_SHIELDED_RJ11_6P4C_1D27_21_15X13_8X13_3_IO_LPJE158-0CNL" RJ11_6P4C_1D27_21_15X13_8X13_3 -263.104,7.425 r0 top
J3 "RF ANT 3P_U-FL3P-SMD-2_6X2_6X1_0MM_IO_U.FL-R-SMT-1(10)" U-FL3P-SMD-2_6X2_6X1_0MM#1 -255.6,76.124 r180 bottom
J4 "HDMI_TYPE A_19P_HDMI19P_1D155_23_1X7_7X16_4MM_IO_TYPE_A" HDMI19P_1D155_23_1X7_7X16_4MM -297.079,8.361 r0 top
J5 "RF ANT 3P_U-FL3P-SMD-2_6X2_6X1_0MM_IO_U.FL-R-SMT-1(10)" U-FL3P-SMD-2_6X2_6X1_0MM#2 -255.676,65.507 r270 bottom
J6 "HEADER 1X3_HEADER3P_2D54_DIP_IO_HEADER 1X3 2.54MM" HEADER3P_2D54_DIP -315.597,4.617 r180 top
J7 "HEADER_4+2P_JST4P_SMD_2_0_90D_IO_4P-2.0MM-90D" JST4P_SMD_2_0_90D -277.58,75.122 r0 top
J8 "HEADER 40+2P_FPC40_0D5_25_4X5_25X2MM_IO_FPC 40PIN-0.5MM" FPC40_0D5_25_4X5_25X2MM -316.306,77.035 r180 top
J9 "RF ANT 3P_U-FL3P-SMD-2_6X2_6X1_0MM_IO_U.FL-R-SMT-1(10)" U-FL3P-SMD-2_6X2_6X1_0MM#2 -259.729,36.881 r270 bottom
J10 "BAT HOLDER 2P_BAT-CR1220_IO_CR1220" BAT-CR1220 -319.485,24.653 r90 top
J11 "HEADER 2X5_1_CONNECT10_1D27_12_4X6_7MM_IO_TC2050-IDC" CONNECT10_1D27_12_4X6_7MM -260.684,32.31 r0 top
J12 "RF ANT 3P_U-FL3P-SMD-2_6X2_6X1_0MM_IO_U.FL-R-SMT-1(10)" U-FL3P-SMD-2_6X2_6X1_0MM#2 -254.056,36.881 r270 bottom
J13 "SINGLE USB A_180D_USB7P_1R4_14X5R72MM_IO_ST-USB-117A" USB7P_1R4_14X5R72MM -308.762,3.772 r90 top
J14 "USB2.0_TYPE C_16+6P#1_USB2_0_TYPE_C_IO_TYPE-C 2.0" USB2_0_TYPE_C -323.659,2.667 r90 top
J16 "HEADER 1X2_HEADER2P_2D54_DIP_IO_HEADER 1X2 2.54MM" HEADER2P_2D54_DIP -328.507,19.905 r180 top
J17 "FPC 22+2P_FPC22_0D5_15_4X5_25X2MM_0D5_DX_NPWB_IO_FPC 22P 0.5MM" FPC22_0D5_15_4X5_25X2MM_0D5_DX_NPWB -293.911,77.154 r180 top
J18 "HEADER_4+2P_JST4P_1D0_6_5X4_35X3_1MM_IO_4P-1.0MM" JST4P_1D0_6_5X4_35X3_1MM -265.017,77.233 r180 top
J19 "HEADER 2X5_1_CONNECT10_1D27_12_4X6_7MM_IO_TC2050-IDC" CONNECT10_1D27_12_4X6_7MM -323.825,35.979 r180 top
J21 "HEADER MIKROBUS_MIKROBUS16_2D54_25_4X22_88X8_5MM_IO_MIKROBUS FEMALE" MIKROBUS16_2D54_25_4X22_88X8_5MM -283.576,52.299 r180 top
J24 "RJ45_LPJG0933H11NL_RJ45_18P_21_23X15_93X13_3MM_IO_LPJG0933H11NL" RJ45_18P_21_23X15_93X13_3MM -280.101,7.46 r0 top
L1 "CLT_L4P_2D54_9_2X6X5MM_DISCRETE_500UH" L4P_2D54_9_2X6X5MM -265.548,23.41 r270 top
L2 "CLT_L4P_2D54_9_2X6X5MM_DISCRETE_500UH" L4P_2D54_9_2X6X5MM -259.08,23.333 r270 top
L3 "L_L0805_DISCRETE_6.8UH" L0805 -260.548,59.837 r0 bottom
L4 "CL_L2012_DISCRETE_90R" L2012#1 -308.762,13.276 r270 top
L5 "L_L0201_DISCRETE_12NH" L0201#1 -261.846,47.659 r45 bottom
L6 "L_L0201_DISCRETE_1NH" L0201#2 -260.838,49.061 r135 bottom
L7 "L_L0201_DISCRETE_27NH" L0201#1 -261.758,48.608 r45 bottom
L8 "L_L0201_DISCRETE_4.7NH" L0201#3 -262.968,43.282 r90 bottom
L9 "L_L0201_DISCRETE_3.9NH" L0201#3 -263.665,45.187 r90 bottom
L10 "L_L0201_DISCRETE_1NH" L0201#2 -261.313,49.536 r135 bottom
L11 "L_L0201_DISCRETE_12NH" L0201#2 -263.245,47.603 r135 bottom
L12 "L_L0201_DISCRETE_2.5NH" L0201#3 -263.665,43.282 r270 bottom
L13 "CL_L2012_DISCRETE_90R" L2012#2 -323.191,9.604 r90 bottom
L14 "L_L1008_DISCRETE_0.33UH" L1008#1 -311.653,14.977 r0 bottom
L15 "CL_L2012_DISCRETE_90R" L2012#3 -317.135,76.233 r180 bottom
L16 "L_L1008_DISCRETE_0.47UH" L1008#2 -316.475,20.249 r270 bottom
L17 "L_L1008_DISCRETE_0.47UH" L1008#1 -321.137,19.49 r180 bottom
L18 "L_L1008_DISCRETE_0.47UH" L1008#1 -307.36,25.823 r0 bottom
L19 "L_L2016_DISCRETE_2.2UH" L2016 -295.695,67.78 r270 bottom
L20 "CL_L2012_DISCRETE_90R" L2012#3 -317.131,78.047 r180 bottom
LED1 "SINGLE LED_LED0402_DISCRETE_YELLOW" LED0402 -251.657,6.55 r0 top
LED2 "SINGLE LED_LED0402_DISCRETE_GREEN" LED0402 -251.657,5.746 r0 top
LED3 "SINGLE LED_LED0402_DISCRETE_GREEN" LED0402 -328.376,31.942 r0 top
LED4 "SINGLE LED_LED0402_DISCRETE_GREEN" LED0402 -328.368,31.01 r0 top
LED5 "SINGLE LED_LED0402_DISCRETE_GREEN" LED0402 -328.368,30.07 r0 top
LED6 "SINGLE LED_LED0402_DISCRETE_GREEN" LED0402 -328.368,29.148 r0 top
LED7 "SINGLE LED_LED0402_DISCRETE_GREEN" LED0402 -328.368,28.208 r0 top
LED8 "SINGLE LED_LED0402_DISCRETE_YELLOW" LED0402 -251.657,7.353 r0 top
LED9 "SINGLE LED_LED0402_DISCRETE_YELLOW" LED0402 -251.657,8.157 r0 top
LED10 "SINGLE LED_LED0402_DISCRETE_YELLOW" LED0402 -251.657,8.961 r0 top
LED11 "SINGLE LED_LED0402_DISCRETE_RED" LED0402 -251.657,9.764 r0 top
MH1 "MHOLE_PTH_3_125MM_5_DISCRETE_HOLE 3D125MM" PTH_3_125MM_5 -253.119,14.3 r0 top
MH2 "MHOLE_PTH_3_125MM_5_DISCRETE_HOLE 3D125MM" PTH_3_125MM_5 -327.406,14.3 r0 top
MH3 "MHOLE_PTH_3_125MM_5_DISCRETE_HOLE 3D125MM" PTH_3_125MM_5 -327.406,70.655 r0 top
MH4 "MHOLE_PTH_3_125MM_5_DISCRETE_HOLE 3D125MM" PTH_3_125MM_5 -253.119,70.655 r0 top
OSC1 "OSC_4P_X4-SMD-2_5X2_0X1_0MM_DISCRETE_32.768KHZ" X4-SMD-2_5X2_0X1_0MM -262.161,71.316 r180 top
OSC2 "OSC_4P_X4_SMD_2_5X2_0MM_DISCRETE_50MHZ" X4_SMD_2_5X2_0MM -274.041,48.552 r180 bottom